# KiCad board smoothiev2-prime.kicad_pcb (continued)
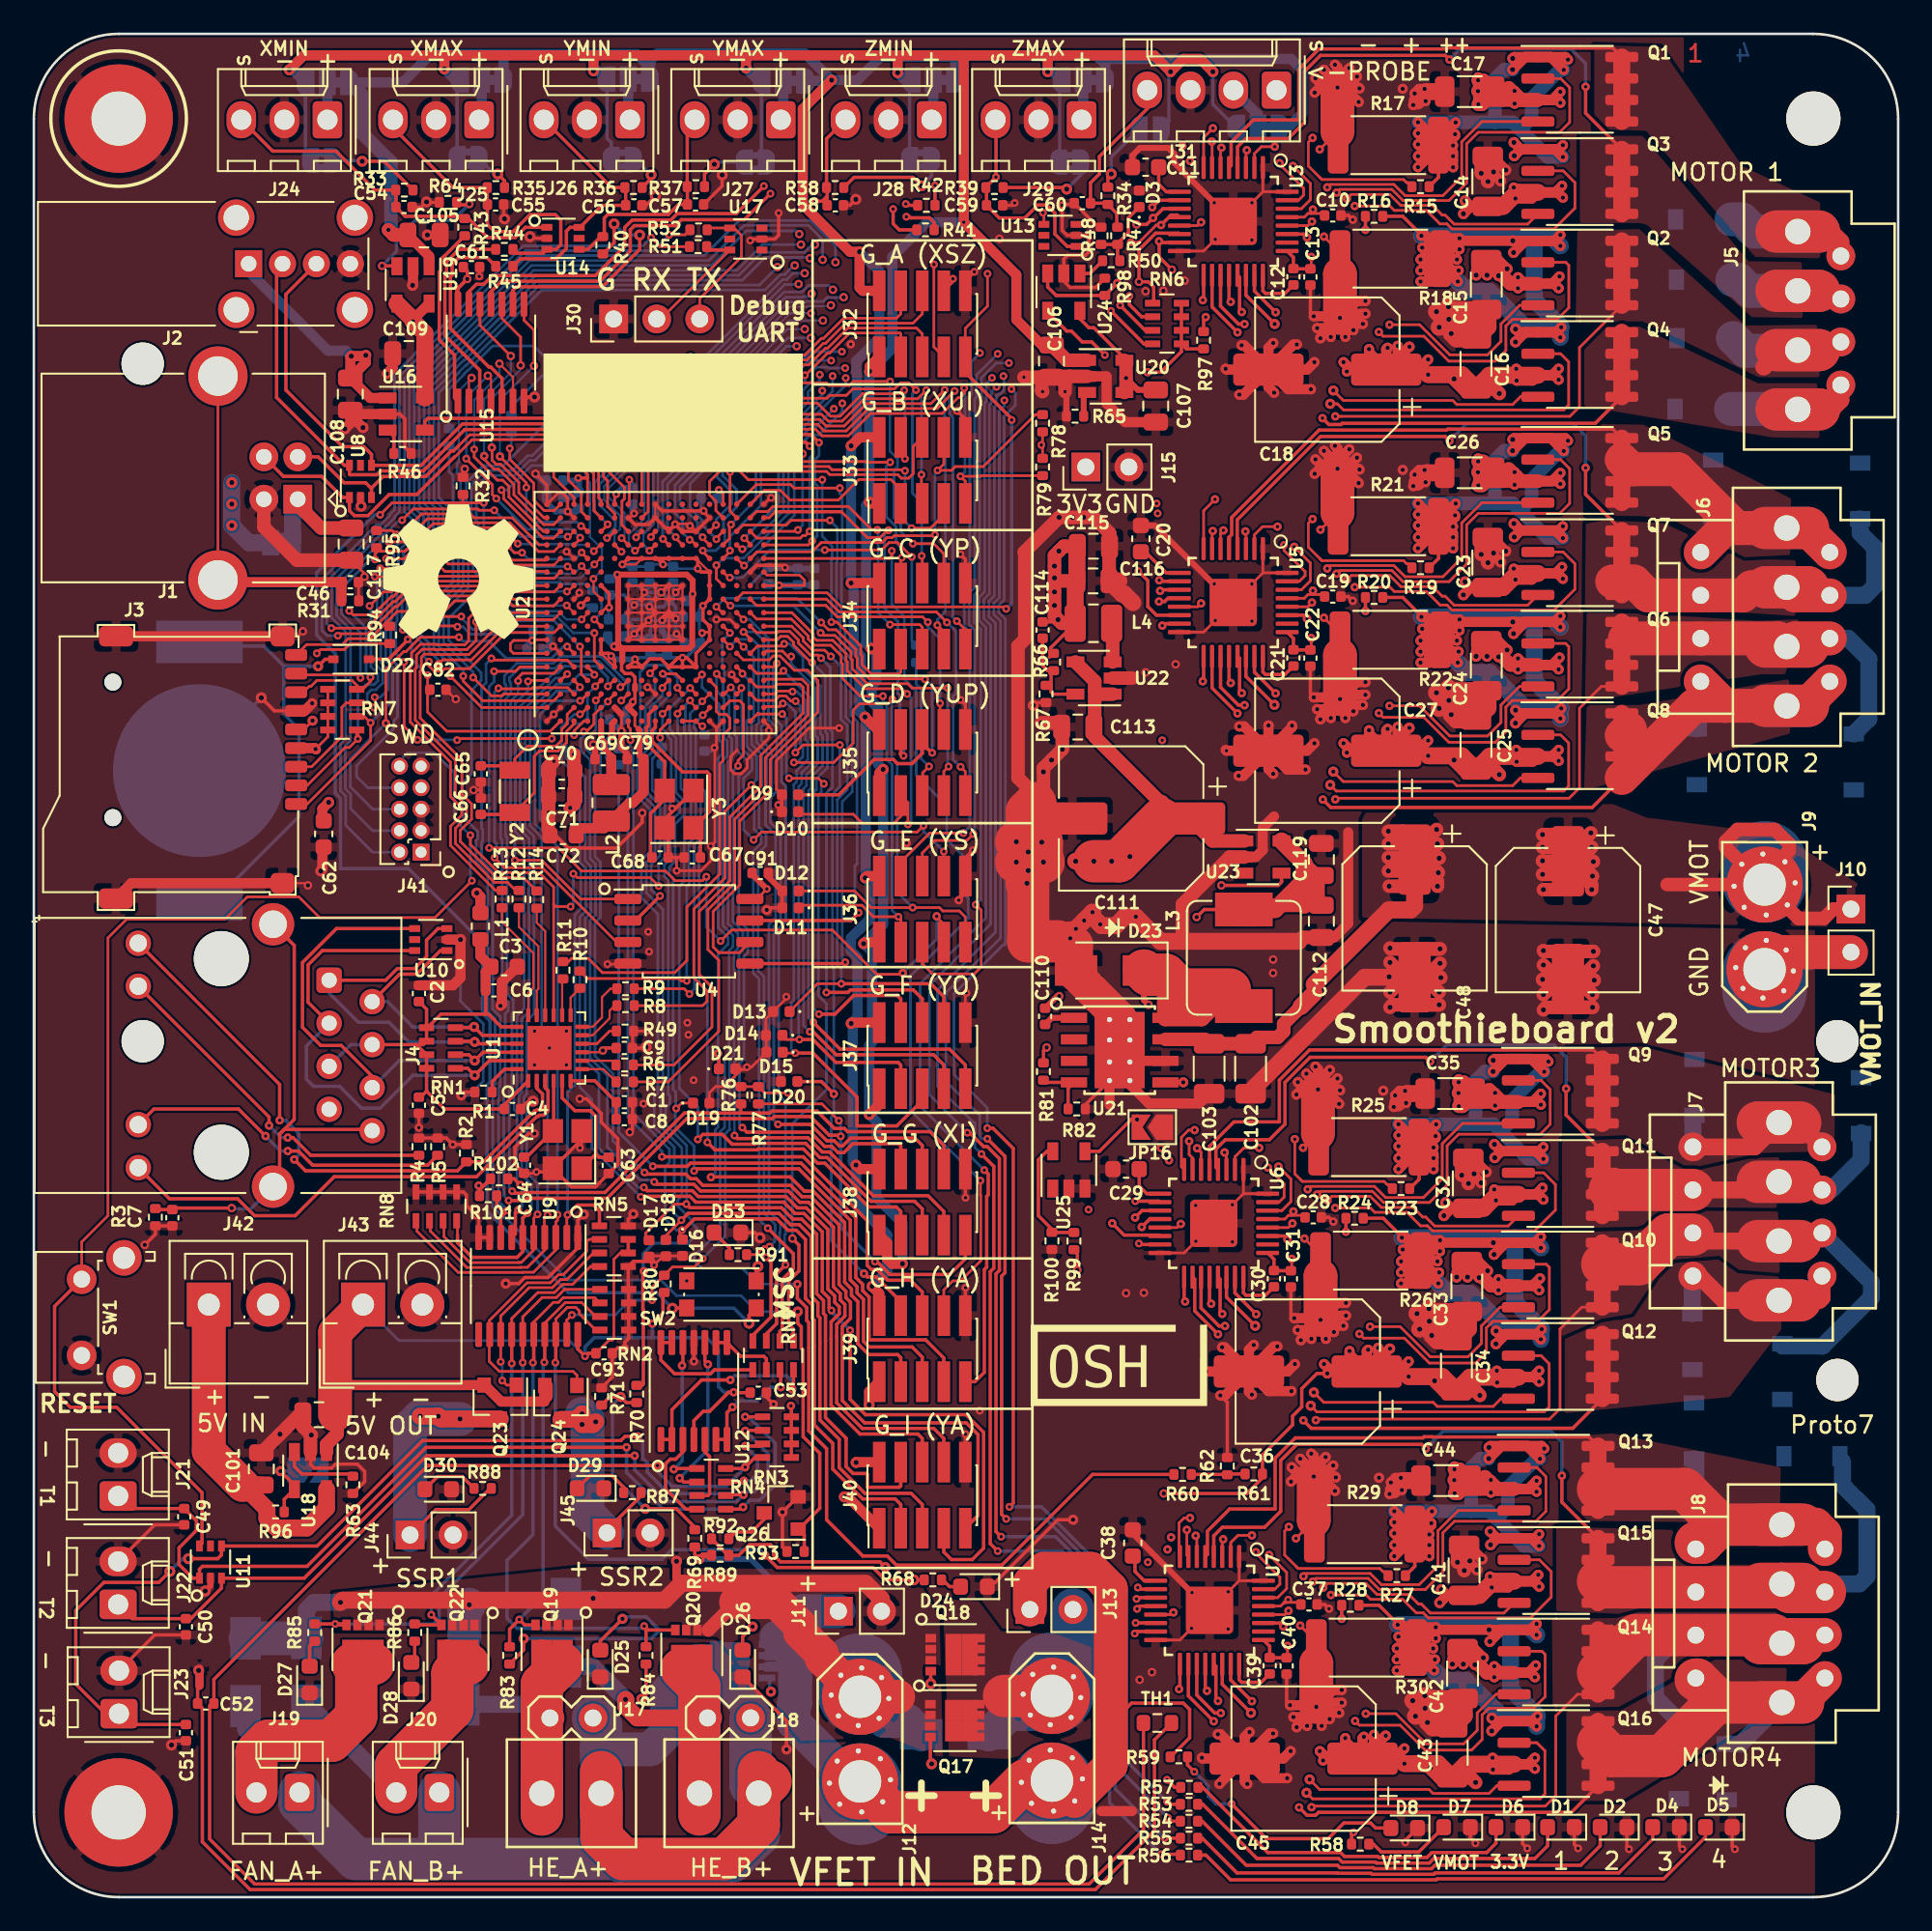
[diagram p0: board, top side]
## Routing (per net, layer and track width the routed paths; a pad name or vN(x,y) marks a point on that pad's centre or on a via; arc(x,y) is an arc through that point) (continued)
  Top w0.8: v2(91.97,53.28) 91.1,54.16 90.52,54.16 ; 90.52,54.16 89.95,54.16 ; 90.52,54.16 90.52,55.53 90.82,55.83 v2(92.02,55.83) 89.12,55.83 v2(89.07,55.88) ; 90.52,54.16 89.05,54.16 v2(89.02,54.18) ; 90.52,54.16 91.2,54.16 v2(92.02,54.98) ; 90.52,54.16 90.52,52.88 90.87,52.53 v2(91.97,52.53) 89.22,52.53 v2(89.07,52.38) ; 90.52,54.16 92.05,54.16 v2(92.07,54.13) ; 89.95,54.16 v2(89.07,53.28) ; 89.95,54.16 v2(89.07,55.03) ; v2(85.8,78.78) 85.79,78.79 C23.2 85.64,80.27 85.4,80.03 v2(85.4,79.27) ; v2(84.65,42.13) 84.64,42.14 C32.2 84.48,43.61 84.25,43.38 v2(84.25,42.62) ; v2(84.4,19.28) 84.39,19.29 84.39,20.77 84.23,20.77 84,20.53 v2(84,19.77) ; v2(83.02,54.28) 82.99,54.31 C48.2 ; C48.2 82.14,54.31 v2(82.97,55.13) ; C48.2 79.99,54.31 v2(79.97,54.33) ; C48.2 82.05,54.31 v2(82.92,53.43) ; C48.2 81.47,53.03 81.82,52.68 v2(82.92,52.68) 80.17,52.68 v2(80.02,52.53) ; C48.2 81.47,55.68 81.77,55.98 v2(82.97,55.98) 80.07,55.98 v2(80.02,56.03) ; C48.2 80.89,54.31 ; v2(16.37,27.28) 15.87,27.78 C104.2 15.67,28.48 v2(14.52,27.33) C101.2 ; v5(60.85,88.88) 60.85,89.53 61.1,89.78 ; C112.2 74.87,56.66 74.64,56.43 ; v2(85.8,101.28) 85.79,101.29 C14.2 85.64,102.77 85.4,102.53 v2(85.4,101.77) ; 67.77,56.43 67.77,58.61 70.56,61.41 U23.2 ; U20.2 61.1,89.78 ; 61.1,89.78 60.1,89.78 ; 30.35,63.11 30.35,64.03 v5(30.37,64.06) C70.2 30.37,66.74 v5(30.68,67.05) ; U22.2 64.81,71.97 ; U18.2 16.32,27.18 ; J1.4 13.57,80.88 15.52,78.93 C117.2 ; 80.89,54.31 v2(80.02,53.43) ; 80.89,54.31 v2(80.02,55.18) ; 30.37,65.33 30.32,65.38 ; v5(59.52,88.88) 59.47,88.93 59.47,89.73 ; 63.45,77.7 63.45,79.73 C115.2 63.47,80.53 62.55,81.45 v2(61.95,81.45) v2(61.3,81.45) v2(60.49,81.45) 58.45,79.41 58.47,79.38 58.47,74.25 58.07,73.86 58.07,66.08 59.57,64.58 v2(59.57,66.43) 59.57,66.66 v2(60.05,67.13) v2(60.68,67.77) 60.68,69.04 60.39,69.33 v2(59.45,69.33) ; 59.47,89.73 v5(58.42,89.73) ; 59.47,89.73 59.52,89.78
  Top w1: 81.62,83.53 82.18,84.09 C26.2 ; v2(83.63,69.81) 83.95,69.5 C25.2 ; C25.2 84.64,69.5 v2(83.49,70.65) ; C25.2 85.8,70.2 85.8,71.12 C24.2 ; v2(83.49,70.65) 83.39,70.65 ; v2(83.49,70.65) 83.21,70.65 v2(82.76,71.1) ; C24.2 84.95,70.47 84.39,70.47 v2(83.47,71.39) ; C24.2 83.96,71.22 83.39,70.65 ; 83.39,70.65 v2(82.92,70.18) ; 80.47,46.88 81.03,47.44 C35.2 ; v2(82.48,33.16) 82.8,32.84 C34.2 ; C34.2 83.49,32.84 v2(82.34,34) ; C34.2 84.65,33.56 84.65,34.47 C33.2 ; v2(82.34,34) 82.24,34 ; v2(82.34,34) 82.06,34 v2(81.61,34.45) ; C33.2 83.8,33.82 83.24,33.82 v2(82.32,34.74) ; C33.2 82.82,34.58 82.24,34 ; 82.24,34 v2(81.77,33.53) ; 80.22,24.03 80.78,24.59 C44.2 ; v2(82.23,10.31) 82.55,10 C43.2 ; C43.2 83.24,10 v2(82.09,11.15) ; C43.2 84.4,10.71 84.4,11.62 C42.2 ; v2(82.09,11.15) 81.99,11.15 ; v2(82.09,11.15) 81.81,11.15 v2(81.36,11.6) ; C42.2 83.55,10.97 82.99,10.97 v2(82.07,11.89) ; C42.2 82.57,11.72 81.99,11.15 ; 81.99,11.15 v2(81.52,10.68) ; v2(83.49,93.15) 83.21,93.15 v2(82.76,93.6) ; v2(83.49,93.15) 84.64,92 C16.2 ; v2(83.49,93.15) 83.39,93.15 ; 74.64,56.43 66.47,56.43 v4(65.02,57.88) 64.37,57.88 v4(63.85,57.36) 62.99,57.36 v4(62.92,57.43) 62.46,57.89 v4(62.46,58.15) v4(61.97,57.65) v4(61.48,57.17) 61.15,56.83 v4(61.15,56.6) 60.98,56.43 60.41,56.43 ; 83.39,93.15 v2(82.92,92.68) ; 83.39,93.15 83.96,93.72 C15.2 ; C16.2 83.95,92 v2(83.63,92.31) ; C16.2 85.8,92.7 85.8,93.62 C15.2 ; C15.2 84.95,92.97 84.39,92.97 v2(83.47,93.89) ; 81.62,106.03 82.18,106.59 C17.2 ; C102.2 71.8,47.57 78.53,54.31 C48.2 ; 64.02,77.7 63.45,77.7 64.21,76.94 64.33,76.94 64.85,76.42
  Top w2: J9.2 103.13,55.79 J10.2 ; U21.9 64.07,51.89 61.49,54.46 D23.2 61.49,56.26 v4(61.15,56.6)
  Top w2.5: 60.41,56.43 58.67,56.43 v2(58.67,60.61) v2(57.97,61.11) v2(58.67,61.7) v2(57.97,62.31) 59.17,61.1 v2(59.57,61.1) 59.47,61.2 v2(59.47,62.28) 58.6,61.41 v2(58.6,59.85) 58.6,64.08 59.1,64.58
  In1.Cu w0.6: 95.41,109.35 96.5,108.26 96.5,107.63 100.82,107.63 102.09,108.9 103.06,108.9
  Bottom w0.16: C81.2 37.05,65.2 37.55,64.7 37.55,64.38 ; v5(37.87,75.48) 37.97,75.58 C84.2 ; C96.2 37.87,76.88 v5(37.87,77.03) 37.72,77.18 C83.2 ; v1(25.22,47.33) 25.68,47.33 26.52,48.17 26.52,51.55 25.17,52.9 v2(25.17,56.53) ; 42.27,77.45 43.31,78.49 v5(44.32,78.49) ; C90.2 35.45,77.6 v5(36.02,77.03) 36.32,77.33 C85.2 ; v5(39.52,81.84) 39.36,81.99 C94.2
  Bottom w0.2: v4(37.02,77.03) 36.89,77.03 C85.2 ; v4(37.02,77.03) v5(36.02,77.03) ; v4(37.02,77.03) 36.32,76.33 v5(36.32,76.18) ; v4(37.02,77.03) 37.15,77.03 C83.2 ; v4(37.02,77.03) C96.2 ; v5(36.32,76.18) 37.17,76.18 C96.2 ; v5(36.32,76.18) 36.32,76.73 v5(36.02,77.03) ; v5(36.32,76.18) 36.22,76.28 v5(35.42,76.28) ; v5(36.32,76.18) 36.27,76.13 v5(36.27,75.38) ; C86.2 36.37,75.28 v5(36.27,75.38) ; v5(44.32,78.49) 44.37,78.44 C95.2 ; v5(36.02,77.03) 36.02,76.88 v5(35.42,76.28) ; C96.2 37.87,76.18 v5(37.87,75.48) ; BT1.2 9.77,67.16 v2(13.42,70.81) ; C80.2 39.96,67.66 v5(40.16,67.86) ; C97.2 34.83,76.87 v5(35.42,76.28) ; v5(36.27,75.38) 36.22,75.43 C88.2 34.87,75.73 v5(35.42,76.28) ; v5(36.27,75.38) v5(37.07,75.38) 37.77,75.38 v5(37.87,75.48) ; v5(37.87,75.48) 37.87,74.63 v5(37.92,74.58) 37.47,74.13 35.87,74.13 v5(35.42,74.58)
  Bottom w0.35: C75.2 44.38,78.43 v5(44.32,78.49) 44.31,78.48 C74.2 ; C118.2 34.67,67.98 v4(34.67,68.84) 34.65,68.84 C100.2 ; C88.2 35.42,74.88 v5(35.42,74.58) ; 32.16,81.97 31.99,81.8 v5(31.5,81.8) 30.8,81.8 30.24,82.36 30.24,83.61 30.26,83.62 30.01,83.62 v4(29.6,84.03) ; C98.2 34.97,74.58 v5(35.42,74.58) ; C86.2 35.69,74.31 v5(35.42,74.58) ; C78.2 30.44,73.66 v5(30.63,73.85) 30.41,74.07 30.41,74.78 ; C87.2 38.37,74.13 v5(37.92,74.58) 37.63,74.29 C89.2 37.37,74.43 37.07,74.73 v5(37.07,75.38) ; C92.2 35.32,81.78 v5(35.41,81.68)
  Bottom w0.6: J9.2 104.82,55.03 105.58,55.79 J10.2
  vias: v1(79.37,24.76) v1(79.62,47.61) v1(80.77,106.76) v1(80.77,84.26) v1(80.72,24.03) v1(80.97,46.88) v1(82.12,106.03) v1(82.12,83.53) v2(37.92,19.83) v3(48.2,91.68) v3(51.49,62.23) v4(56.97,97.91) v4(64.45,35.66) v4(65.24,12.83) v4(65.49,35.68) v4(65.6,94.81) v4(65.6,72.31) v4(65.97,13.28) v4(66.64,94.83) v4(67.37,72.78) v4(67.89,95.43) v4(73.12,55.36) v4(73.12,54.56) v5(26.55,76.06) v5(35.97,46.84) v5(36.25,56.99) v5(36.3,55.82) v5(38.56,51.62) v5(38.62,50.91) v5(38.93,48.23) v5(55.81,28.72)
/ADC1_CH12: length 55.6
  Top w0.16: U2.M3 v5(38.72,71.38) ; v5(37.9,46.56) 38.22,46.88 D19.1
  Top w0.2: v5(38.96,42.87) 39.09,43 45.13,43 48.17,39.96 48.17,36.44 48.57,36.04 48.57,35.67 48.95,35.29 48.95,32.81 49.28,32.48 51.82,32.48 52.42,31.88 J39.5
  Bottom w0.16: v5(37.9,46.56) 37.85,46.51 37.85,46.31 ; 37.85,46.31 37.85,45.44 38.96,44.33 v5(38.96,42.87) ; 37.85,46.31 37.88,46.34 37.88,47.54 37.72,47.69 37.72,60.16 37.49,60.39 37.49,60.81 37.83,61.15 37.83,63.34 38.4,63.91 38.4,64.7 37.89,65.21 37.89,68.45 37.68,68.65 37.68,68.78 37.53,68.93 37.53,70.19 v5(38.72,71.38)
/ADC1_CH13: length 53.2
  Top w0.16: U2.M4 v5(39.42,72.18)
  Top w0.2: D21.1 40.42,49.76 v3(40.37,49.81) ; v3(39.95,42.5) 39.97,42.52 44.62,42.52 45.46,41.68 45.55,41.68 ; 45.55,41.68 45.55,41.69 ; 45.55,41.68 45.98,41.68 47.84,39.83 47.84,36.31 48.24,35.9 48.24,35.53 48.62,35.15 48.62,32.67 49.26,32.03 50.97,32.03 51.15,31.85 J39.3
  Bottom w0.16: v5(39.42,72.18) 39.42,71.43 40.43,70.42 40.43,68.31 40.6,68.14 40.6,67.47 40.38,67.25 40.38,57.24 40.96,56.66 40.96,56.26 40.37,55.67 v3(40.37,49.81) 40.37,45.46 40.21,45.3 ; 40.21,45.3 40.21,42.76 v3(39.95,42.5) ; 40.21,45.3 40.21,45.27
/ADC1_CH15: length 45.8
  Top w0.16: U2.U2 43.13,70.29 44.01,70.29 v5(44.19,70.47) ; v5(47.55,68.02) 45.39,68.02 v5(44.93,67.57)
  Top w0.2: D20.1 46.47,48.15 v3(47.2,47.42) ; J39.4 51.15,35.16 49.69,36.62 49.17,36.62 v3(48.98,36.81)
  Bottom w0.16: v5(47.55,68.02) 47.55,65.55 47.11,65.11 47.11,54.91 47.2,54.83 47.2,46.19 47.05,46.05 47.05,38.73 v3(48.98,36.81) ; v5(44.19,70.47) 44.44,70.47 44.93,69.97 v5(44.93,67.57)
/ADC3_CH6: length 67.7
  Top w0.16: v5(38.24,39.38) 38.12,39.26 38.12,38.83 ; U2.L3 37.97,71.33 v5(37.97,71.4)
  Top w0.2: J40.3 51.15,23.18 50.82,23.51 48.9,23.51 47.14,25.27 47.14,26.79 46.05,27.87 46.05,32.57 46.05,34.06 45.93,34.18 45.93,34.95 45.53,35.35 45.53,38.83 44.99,39.37 44.5,39.37 43.83,40.04 38.97,40.04 38.31,39.38 v5(38.24,39.38)
  Bottom w0.16: v5(37.97,71.4) 37.97,71.98 37.22,72.73 36.19,72.73 35.77,72.31 35.77,71.13 35.78,71.12 35.78,69.17 35.64,69.03 35.64,68 35.34,67.7 35.34,64.28 35.37,64.24 35.37,46.28 37.5,44.15 37.5,43.37 37.24,43.11 37.24,40.05 37.91,39.38 v5(38.24,39.38)
/ADC3_CH8: length 63.1
  Top w0.16: v5(38.5,40.91) 37.8,40.91 36.1,39.2 36.1,38.78 ; U2.K2 37.1,69.86 v5(37.09,69.86)
  Top w0.2: v5(38.5,40.91) 38.71,40.7 44.11,40.7 44.78,40.03 45.3,40.03 46.19,39.14 46.19,35.62 46.59,35.22 46.59,34.45 46.71,34.33 46.71,32.85 46.71,28.31 47.93,27.09 47.93,25.42 48.33,25.01 49.13,25.01 49.18,24.96 49.18,24.2 51.07,24.2 51.15,24.28 J40.4
  Bottom w0.16: v5(37.09,69.86) 37.09,68.96 37.39,68.66 37.39,68.53 37.6,68.33 37.6,65.09 38.11,64.58 38.11,64.06 37.54,63.49 37.54,61.27 37.2,60.93 37.2,60.27 37.43,60.04 37.43,47.4 37.54,47.29 37.54,46.87 37.28,46.61 37.28,45.6 38.52,44.36 38.52,40.93 v5(38.5,40.91)
/ADC3_CH9: length 66.7
  Top w0.16: U2.J5 36.67,72.56 v5(36.36,72.25) ; v5(38.2,39.97) 37.12,38.88 37.12,38.81
  Top w0.2: J40.5 52.42,23.18 51.76,23.84 49.04,23.84 47.52,25.36 47.52,27.03 46.38,28.17 46.38,32.71 46.38,32.71 46.38,34.2 46.26,34.32 46.26,35.08 45.86,35.49 45.86,39.01 45.16,39.7 44.64,39.7 43.97,40.37 38.61,40.37 v5(38.2,39.97)
  Bottom w0.16: v5(38.2,39.97) 37.64,40.53 37.64,41.21 37.79,41.36 37.79,44.27 36.6,45.46 36.6,47.24 36.82,47.45 36.82,58.03 35.85,59 35.85,61.21 36.36,61.72 36.36,64.23 35.63,64.96 35.63,67.58 35.93,67.88 35.93,68.91 36.07,69.05 36.07,70.34 36.65,70.91 36.65,71.96 v5(36.36,72.25)
/BED_FET: length 39.3
  Top w0.16: v5(31.49,40.28) 31.49,40.13 31.45,40.09 U9.2 31.45,39.61 ; v5(32.23,70.63) 32.27,70.63 U2.D3
  Top w0.2: RN5.5 33.37,40.5 33.02,40.86 32.06,40.86 v5(31.49,40.28)
  Bottom w0.16: v5(32.23,70.63) 30.67,70.63 29.86,69.82 29.86,63.65 31.93,61.58 31.93,60.97 32.27,60.63 32.27,58.34 31.92,57.99 31.92,47.93 31.49,47.5 v5(31.49,40.28)
/BOOT0: length 91.1
  Top w0.16: v5(20.43,81.61) 21.14,82.32 25.38,82.32 ; 25.38,82.32 v5(26.55,82.32) ; 25.38,82.32 25.32,82.38 25.32,82.81 ; U2.E8 v5(33.07,75.43)
  Top w0.2: SW2.1 42.2,34.36 v2(42.2,33.88) ; SW2.1 37.69,34.78 v2(37.68,34.76)
  Bottom w0.16: v5(26.55,82.32) 26.55,80.1 26.08,79.64 26.08,79.09 25.92,78.92 25.92,78.3 26.6,77.61 31.05,77.61 31.15,77.52 32.6,77.52 33.45,76.68 33.45,76.59 33.47,76.57 33.47,76.43 33.5,76.4 33.5,75.84 33.3,75.64 33.28,75.64 v5(33.07,75.43)
  Bottom w0.2: v5(20.43,81.61) 20.1,81.61 16.68,78.19 16.68,74.52 17.78,73.42 17.78,65.18 18.09,64.87 18.09,60.73 22.09,60.73 26.47,56.36 26.47,52.18 26.91,51.74 26.91,48.12 26.73,47.94 26.73,40.5 31.55,35.68 36.23,35.68 36.25,35.7 36.74,35.7 v2(37.68,34.76) 37.68,34.77 41.3,34.77 v2(42.2,33.88)
/CARD_DET: length 16.7
  Top w0.16: 20.76,75.22 20.95,75.03 R94.1 ; 20.76,75.22 21.44,75.9 24.21,75.9 24.83,76.53 27.26,76.53 27.96,75.83 U2.A9 ; 20.76,75.22 19.84,74.3 18.55,74.3 18.2,73.95 16.09,73.95 J3.9
/CS_A: length 54
  Top w0.128: U2.E10 33.03,77.07 33.03,77.82 v5(33.02,77.83)
  Top w0.2: U3.14 67.54,98.24 66.19,98.24 65.21,97.25 v4(65.21,95.37) 65.76,95.37 66.08,95.05 66.08,94.17 RN6.1
  In2.Cu w0.2: v4(45.12,95.23) 46.32,95.23 46.8,95.7 47.52,95.7 47.63,95.59 48.28,95.59 48.36,95.52 52.36,95.52 52.77,95.11 53.54,95.11 53.93,94.72 62.83,94.72 62.87,94.77 64.1,94.77 64.7,95.37 v4(65.21,95.37)
  Bottom w0.128: v5(33.02,77.83) 33.52,78.34 33.52,79.59 32.81,80.3 32.81,83.5 32.57,83.74 32.57,85.18
  Bottom w0.16: 32.57,85.18 32.57,85.69 35.29,88.41 35.97,88.41 37.09,89.53 38.59,89.53 43.37,94.3 43.39,94.3 44.3,95.21 45.1,95.21 v4(45.12,95.23)
/CS_B: length 69.8
  Top w0.16: U2.F15 33.88,80.24 v5(33.82,80.24)
  Top w0.2: v5(63.55,93.65) 65.5,91.7 RN6.4 ; v5(65.17,78.28) 65.73,77.72 65.73,76.19 66.24,75.68 U5.14
  In2.Cu w0.2: v5(65.17,78.28) 66.02,79.14 66.43,79.14 68.71,81.42 68.71,82.24 69.84,83.37 69.84,88.56 69,89.4 69,91.29 66.78,93.51 63.69,93.51 v5(63.55,93.65) 63.47,93.73 53.52,93.73 53.13,94.12 49.27,94.12 48.94,94.45 v4(47.78,94.45)
  Bottom w0.16: v5(33.82,80.24) 33.82,80.38 34.31,80.88 34.31,81.24 33.37,82.18 33.37,83.4 35.69,85.72 35.69,86.9 37.45,88.66 38.98,88.66 44.48,94.16 45.49,94.16 45.53,94.2 46.57,94.2 46.81,94.43 47.76,94.43 v4(47.78,94.45)
/CS_C: length 115.6
  Top w0.16: U2.F16 34.27,81.68 33.85,82.1 33.85,83.62 33.61,83.86 33.61,84.51 v5(33.23,84.89)
  Top w0.2: v3(63.63,39.78) 64.33,39.08 66.39,39.08 U6.14 ; v5(64.1,93.98) 65.57,92.5 RN6.3
  In2.Cu w0.2: 64.24,42.13 67.22,42.13 68.04,42.95 68.69,42.95 69.45,43.71 69.45,45.65 71.52,47.72 71.52,55.87 71.87,56.22 71.87,64.02 69.57,66.32 69.57,69.29 66.56,72.3 66.56,72.54 64.04,75.06 64.04,76.48 65.63,78.06 65.63,78.15 66.29,78.81 66.57,78.81 69.8,82.04 69.92,82.04 70.17,82.29 70.17,88.69 69.33,89.53 69.33,91.43 66.79,93.98 v5(64.1,93.98) 63.96,94.11 63.33,94.11 63.28,94.06 53.66,94.06 53.27,94.45 52.5,94.45 52.09,94.86 48.09,94.86 48.01,94.93 47.19,94.93 v4(47.15,94.89) ; v3(63.63,39.78) 63.63,41.61 64.15,42.13
  Bottom w0.16: v4(47.15,94.89) 46.9,95.14 45.7,95.14 45.34,94.78 45.29,94.78 45.27,94.76 44.26,94.76 38.74,89.24 37.21,89.24 36.09,88.12 35.41,88.12 33.23,85.94 v5(33.23,84.89)
/CS_D: length 146.5
  Top w0.16: v5(33.74,85.25) 33.97,85.02 33.97,84.1 34.84,83.22 34.84,82.55 34.7,82.41 34.7,81 U2.G15
  Top w0.2: v5(64.64,94.53) 64.64,94.02 65.36,93.3 RN6.2 ; U7.14 66.18,16.19 v5(65.01,16.19)
  In2.Cu w0.2: v5(65.01,16.19) 64.6,16.6 64.6,18.42 64.92,18.74 66.64,18.74 69.89,21.99 69.89,23.88 70.8,24.79 70.8,28.68 70.65,28.83 70.65,30.29 66.87,34.07 66.87,36.11 66.08,36.9 63.95,36.9 63.52,37.33 63.52,38.99 64.11,39.58 64.11,41.6 67.16,41.6 68.18,42.62 68.87,42.62 69.78,43.53 69.78,45.52 71.85,47.59 71.85,55.73 72.2,56.08 72.2,64.16 69.9,66.46 69.9,69.42 66.89,72.43 66.89,72.67 64.37,75.19 64.37,76.34 65.96,77.93 65.96,78.01 66.42,78.48 66.71,78.48 69.94,81.71 70.06,81.71 70.5,82.15 70.5,88.83 69.66,89.67 69.66,91.57 66.92,94.31 64.87,94.31 v5(64.64,94.53) 64.55,94.44 63.01,94.44 62.96,94.39 53.8,94.39 53.41,94.78 52.64,94.78 52.23,95.19 48.22,95.19 48.15,95.26 47.49,95.26 47.38,95.37 46.93,95.37 46.22,94.66 v4(45.89,94.66)
  Bottom w0.16: v4(45.89,94.66) 45.72,94.49 45.41,94.49 45.37,94.45 44.36,94.45 38.86,88.95 37.33,88.95 36.21,87.83 35.53,87.83 33.74,86.04 v5(33.74,85.25)
/DIR_A: length 80.9
  Top w0.16: v3(74.29,102.2) 75.32,101.17 75.32,100.21 74.79,99.68 U3.30 ; U2.A12 30.23,78.27 24.25,78.27 v5(23.83,78.69)
  In1.Cu w0.16: v3(68.22,102.5) 68.99,101.73 73.81,101.73 v3(74.29,102.2)
  In2.Cu w0.2: v4(44.89,96.33) 44.64,96.58 44.64,98.42 45.23,99.01 49.53,99.01 50.13,98.42 52.26,98.42 53.59,99.75 56.38,99.75 57.53,98.6 62.11,98.6 66.01,102.5 v3(68.22,102.5)
  Bottom w0.16: v4(44.89,96.33) 44.84,96.33 44.3,95.79 44.06,95.79 43.15,94.88 29.96,94.88 25.52,90.44 25.49,90.44 25.08,90.03 25.08,90 23.89,88.82 23.89,82.63 24.44,82.09 24.44,79.3 v5(23.83,78.69)
/DIR_B: length 64.2
  Top w0.16: v3(74.37,79.72) 75.32,78.77 75.32,77.71 74.79,77.18 U5.30 ; v5(37.16,86.26) 37.23,86.33 38.02,86.33 38.12,86.23 38.12,85.76 37.81,85.45 37.4,85.45 37.32,85.53 36.72,85.53 36.24,85.05 36.24,81.8 U2.H16
  In1.Cu w0.16: v5(66.31,81.69) 68.77,79.23 73.88,79.23 v3(74.37,79.72)
  In2.Cu w0.2: v4(45.85,92.05) 46.67,92.05 47.11,92.49 48.57,92.49 48.59,92.47 52.42,92.47 52.94,91.95 62.44,91.95 62.55,91.84 65.87,91.84 67.21,90.5 67.21,87.58 68.11,86.68 68.11,84.29 66.92,83.1 66.92,82.3 v5(66.31,81.69)
  Bottom w0.16: v4(45.85,92.05) 44.49,92.05 39.77,87.33 38.24,87.33 v5(37.16,86.26)
/DIR_C: length 110.8
  Top w0.128: v5(35.47,79.49) 35.53,79.49 U2.H14
  Top w0.16: U6.30 73.64,40.53 74.17,41.06 74.17,42.4 v3(73.44,43.13)
  In1.Cu w0.16: v3(73.44,43.13) 73.44,42.78 73.24,42.58 67.9,42.58 v3(66.98,43.5)
  In2.Cu w0.2: v3(66.98,43.5) 66.98,45.11 69.34,47.47 69.74,47.47 70.53,48.26 70.53,56.28 70.88,56.63 70.88,63.61 68.47,66.02 68.47,68.25 62.77,73.95 62.77,78.33 64.69,80.25 66.02,80.25 67.58,81.81 67.58,82.83 68.77,84.02 68.77,86.95 67.87,87.85 67.87,90.77 66.14,92.5 62.82,92.5 62.71,92.61 53.21,92.61 52.69,93.13 48.86,93.13 48.84,93.15 46.63,93.15 v4(46.56,93.08)
  Bottom w0.128: v4(46.56,93.08) 44.56,93.08 39.35,87.87 37.78,87.87 36.48,86.57 36.48,85.39 36.02,84.93 36.02,81.38 35.11,80.47 35.11,80.29 35.1,80.29 35.1,79.86 v5(35.47,79.49)
/DIR_D: length 141.1
  Top w0.16: v3(72.89,20.2) 73.92,19.17 73.92,18.21 73.39,17.68 U7.30 ; v5(34.68,80.23) 35.07,79.84 U2.G14
  In1.Cu w0.16: v3(72.89,20.2) 72.41,19.73 67.69,19.73 v3(66.89,20.53)
  In2.Cu w0.2: v3(66.89,20.53) 66.56,20.86 66.56,21.88 68.8,24.11 68.8,30.13 62.82,36.11 62.82,41.92 63.75,42.85 67.01,42.85 67.55,43.39 67.55,45.21 69.48,47.14 69.88,47.14 70.86,48.12 70.86,56.14 71.21,56.49 71.21,63.75 68.91,66.05 68.91,68.28 63.17,74.02 63.17,77.41 65.59,79.83 66.19,79.83 67.91,81.55 67.91,82.69 69.1,83.88 69.1,87.09 68.2,87.99 68.2,91.16 66.51,92.85 63.22,92.85 63.11,92.96 53.33,92.96 52.83,93.46 49,93.46 48.98,93.48 46.87,93.48 46.79,93.56 45.91,93.56 v5(45.85,93.5)
  Bottom w0.128: v5(45.85,93.5) 44.62,93.5 39.24,88.12 37.67,88.12 36.22,86.68 36.22,85.5 33.92,83.19 33.92,82.64 34.85,81.71 34.85,80.4 v5(34.68,80.23)
/driver-a/COIL_A1: length 40.5
  Top w0.2: 93.7,108.63 93.16,109.17 83.91,109.17 83.89,109.18 83.43,109.18 83.36,109.11 75.83,109.11 74.64,107.92 74.64,104.92 71.96,104.92 70.64,103.61 70.64,102.23 U3.5
  Top w1: 93.7,108.63 Q1.5 ; J5.4 106.02,98.33 106.62,97.73 J5.4
  Bottom w2: J5.4 101.51,98.33 100.79,99.05 D35.1
/driver-a/COIL_A2: length 43.1
  Top w0.2: v3(83.53,108.48) 83.28,108.73 75.92,108.73 74.97,107.78 74.97,104.78 74.01,103.82 71.51,103.82 71.02,103.33 U3.4 ; Q3.8 91.56,105.32 v3(91.56,106.88)
  Top w1: Q3.8 Q3.5 ; J5.3 104.56,94.35 J5.3
  Bottom w0.2: v3(83.53,108.48) 84.15,109.11 90.7,109.11 91.56,108.25 v3(91.56,106.88)
  Bottom w2: J5.3 101.24,94.83 100.59,95.48 D34.1
/driver-a/COIL_B1: length 50
  Top w0.16: Q2.5 91.2,91.48 91.2,87.99 90.63,87.42 v3(76.79,87.42)
  Top w0.2: v3(70.62,94.18) 70.52,94.28 U3.20
  Top w1: J5.2 103.42,91.33 ; J5.2 104.56,91.81 J5.2 ; J5.2 103.07,91.33 102.07,90.33 ; Q2.8 Q2.5
  In1.Cu w0.16: v3(76.79,87.42) 75.95,86.58 75.37,86.58 75.37,87.37 73.41,89.33 71.97,89.33 69.77,91.53 69.77,93.33 v3(70.62,94.18)
  Bottom w2: D33.1 101,91.29 104.04,91.29 J5.2
/driver-a/COIL_B2: length 42
  Top w0.2: v3(71.27,93.58) 71.14,93.7 71.14,95.63 U3.21 ; Q4.5 92.13,87.01 77.2,87.01 77.13,86.94 76.41,86.94 v3(76.04,87.31)
  Top w1: J5.1 106.07,87.83 106.62,88.38 J5.1 ; Q4.8 Q4.5
  In1.Cu w0.2: v3(76.04,87.31) 72.57,90.78 71.22,90.78 70.32,91.68 70.32,92.63 v3(71.27,93.58)
  Bottom w2: J5.1 104.05,87.86 D32.1
/driver-b/COIL_A1: length 53.8
  Top w0.2: U5.5 70.52,80.29 70.68,80.44 70.68,81.45 75.83,86.61 83.36,86.61 83.41,86.67 93.16,86.67 93.7,86.13
  Top w1: 93.7,86.13 Q5.5
  Top w2: Q5.7 94.26,84.3 97,84.3 100.47,80.83 J6.4 ; J6.4 104.53,80.83 J6.4 ; J6.4 99.79,80.83 J6.4
  Bottom w1: J6.4 99.08,80.12 D47.1
/driver-b/COIL_A2: length 58.9
  Top w0.2: v3(91.56,84.38) 91.56,82.82 Q7.8 ; U5.4 71.01,79.62 71.01,81.32 75.92,86.23 83.28,86.23 v3(83.53,85.98)
  Top w1: Q7.8 Q7.5
  Top w2: J6.3 103.91,76.85 J6.3 101.33,77.33 100.85,76.85 J6.3 95.24,76.85 94.42,77.67 93.13,77.67
  Bottom w0.2: v3(83.53,85.98) 84.52,86.97 90.86,86.97 91.56,86.27 v3(91.56,84.38)
  Bottom w1: J6.3 103.91,76.85 108.06,76.85 108.61,77.4 108.61,79.68 107.76,80.53 D46.1
/driver-b/COIL_B1: length 60.1
  Top w0.16: v3(76.79,64.81) 76.86,64.87 90.58,64.87 91.2,65.49 91.2,70.19 92.48,71.47 Q6.5
  Top w0.2: v3(70.62,71.68) 70.52,71.78 U5.20
  Top w1: Q6.8 Q6.5
  Top w2: 93.88,74.31 J6.2 102.95,74.31 J6.2 103.91,74.31 J6.2
  In1.Cu w0.16: v3(76.79,64.81) 76.27,64.29 75.91,64.29 73.37,66.83 71.97,66.83 69.77,69.03 69.77,70.83 v3(70.62,71.68)
  Bottom w1: J6.2 107.06,74.31 108.27,73.1 108.27,69.56 D45.1
/driver-b/COIL_B2: length 54.7
  Top w0.2: v3(71.27,71.08) 71.14,71.2 71.14,73.13 U5.21 ; Q8.5 91.95,64.33 76.52,64.33 v3(76.05,64.8)
  Top w1: Q8.8 Q8.5
  Top w2: 99.79,70.33 J6.1 104.53,70.33 J6.1 ; 99.79,70.33 J6.1 ; 99.79,70.33 97.95,70.33 Q8.5 ; 93.7,68.59 94.05,68.94 94.18,68.94
  In1.Cu w0.2: v3(76.05,64.8) 72.57,68.28 71.18,68.28 70.32,69.14 70.32,70.13 v3(71.27,71.08)
  Bottom w1: D44.1 98.13,71.55 J6.1
/driver-c/COIL_A1: length 43.1
  Top w0.2: U6.5 69.37,44.33 70.81,45.77 73.49,45.77 73.49,48.24 75.27,50.02 92.01,50.02 Q9.8
  Top w1: Q9.8 Q9.5 ; J7.4 101.53,44.29 J7.4 104.07,45.73 J7.4
  Bottom w1: J7.4 97.89,46.06 D39.1
/driver-c/COIL_A2: length 54.2
  Top w0.2: v3(90.41,47.73) 90.41,46.17 Q11.8 ; U6.4 69.74,43.08 69.74,44.16 70.3,44.71 72.9,44.71 73.82,45.63 73.82,48.1 75.3,49.58 82.13,49.58 v3(82.38,49.33)
  Top w1: Q11.8 Q11.5 ; J7.3 105.03,42.23 J7.3 102.49,41.75 J7.3
  Top w2.5: J7.3 92.98,41.75
  Bottom w0.2: v3(82.38,49.33) 83.35,50.3 89.7,50.3 90.41,49.59 v3(90.41,47.73)
  Bottom w1: J7.3 106.05,41.75 107.82,43.52 107.82,45.13
/driver-c/COIL_B1: length 65.6
  Top w0.16: v3(75.64,28.16) 75.71,28.22 89.43,28.22 90.05,28.84 90.05,33.54 91.33,34.83 Q10.5
  Top w0.2: v3(69.47,35.03) 69.37,35.13 U6.20
  Top w1: Q10.8 Q10.5 ; J7.2 98.37,38.73 J7.2 103.45,39.21 J7.2
  Top w2.5: Q10.7 94.7,37.36 96.46,39.12 97.89,39.12
  In1.Cu w0.16: v3(75.64,28.16) 75.12,27.64 74.76,27.64 72.22,30.18 70.82,30.18 68.62,32.38 68.62,34.18 v3(69.47,35.03)
  Bottom w1: 103.17,32.53 105.55,32.53 108.42,35.4 108.42,36.3 J7.2
